# KiCad board led-module.kicad_pcb
title: LED Module; date: <<release-date>>; rev: <<tag>>; note: <<hash>>
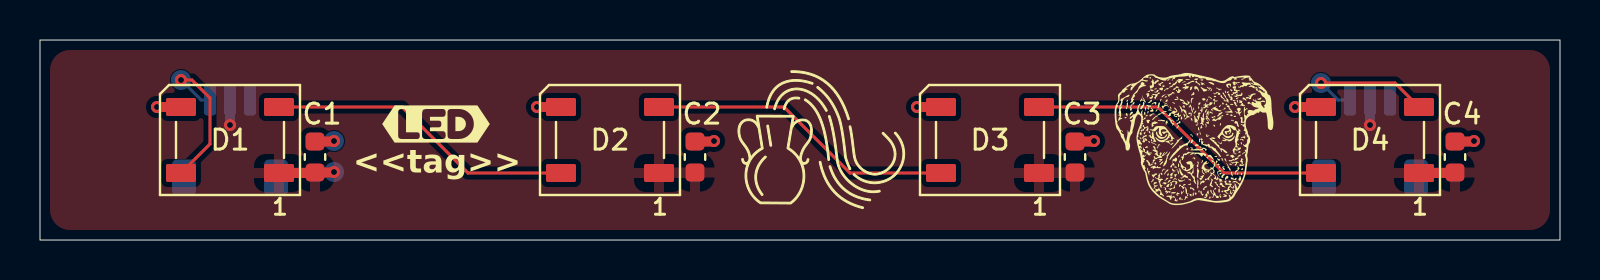
[diagram p0: board, top side]
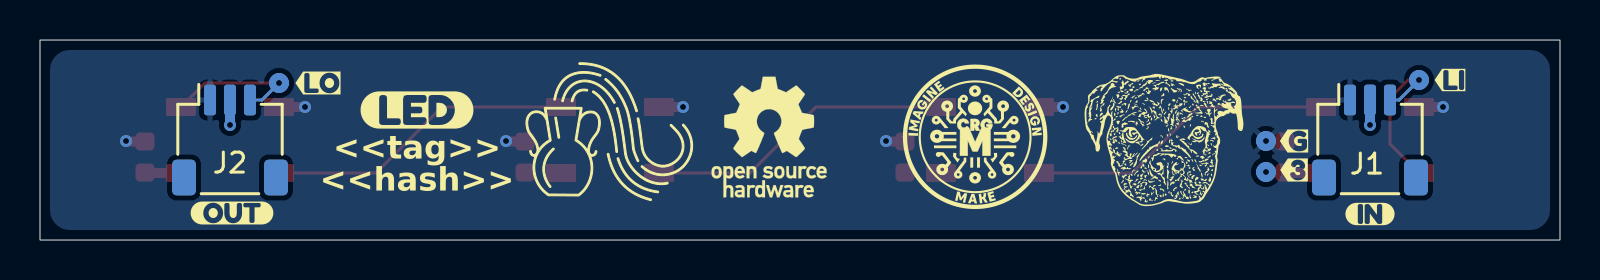
[diagram p1: board, bottom side, seen from below]

Outline 76 x 10 mm; copper layers: Top, Bottom. Coordinates in mm from the lower left corner of the outline.
Outline path: rectangle 0,10 76,0
Stack: Top 0.0696mm / dielectric 1.545mm FR4 er 4.5 / Bottom 0.0696mm

## Placement (name value [footprint] x y rotation side)
C1  0.1uF  [C_0603_1608Metric]  13.75 4.15 90 top
C2  0.1uF  [C_0603_1608Metric]  32.75 4.15 90 top
C3  0.1uF  [C_0603_1608Metric]  51.75 4.15 90 top
C4  0.1uF  [C_0603_1608Metric]  70.75 4.15 90 top
D1  WS2812B-5050  [LED_WS2812B_PLCC4_5.0x5.0mm_P3.2mm]  9.5 5 180 top
D2  WS2812B-5050  [LED_WS2812B_PLCC4_5.0x5.0mm_P3.2mm]  28.5 5 180 top
D3  WS2812B-5050  [LED_WS2812B_PLCC4_5.0x5.0mm_P3.2mm]  47.5 5 180 top
D4  WS2812B-5050  [LED_WS2812B_PLCC4_5.0x5.0mm_P3.2mm]  66.5 5 180 top
J1  BM03B-SRSS-TB  [JST_SH_SM03B-SRSS-TB_1x03-1MP_P1.00mm_Horizontal]  9.5 5 180 bottom
J2  BM03B-SRSS-TB  [JST_SH_SM03B-SRSS-TB_1x03-1MP_P1.00mm_Horizontal]  66.5 5 180 bottom
kibuzzard-69A0DE8F  G***  [kibuzzard-69A0DE8F]  5.5 8 180 bottom
kibuzzard-69A0DE9C  G***  [kibuzzard-69A0DE9C]  13.3 4.95 180 bottom
kibuzzard-69A0DE72  G***  [kibuzzard-69A0DE72]  62.1 7.85 180 bottom
kibuzzard-69A0DEA3  G***  [kibuzzard-69A0DEA3]  13.3 3.5 180 bottom
kibuzzard-69A0DF58  G***  [kibuzzard-69A0DF58]  66.4 1.35 180 bottom
kibuzzard-69A0DF69  G***  [kibuzzard-69A0DF69]  9.5 1.3 180 bottom
kibuzzard-69A0E019  G***  [kibuzzard-69A0E019]  19.8 5.8 0 top
kibuzzard-699F9001  G***  [kibuzzard-699F9001]  57.15 6.5 180 bottom
LOGO1  ~  [Aquarius Logo 8mm]  47.9 4.75 180 bottom
LOGO2  ~  [CRGM Logo 7mm]  29.25 5.2 180 bottom
LOGO3  ~  [Roxy 8mm]  57.67 5.12 0 top
LOGO4  ~  [Aquarius Logo 8mm]  38.7 4.35 0 top
LOGO5  ~  [OSHW-Logo_5.7x6mm_SilkScreen]  39.55 5.15 180 bottom
LOGO6  ~  [Roxy 8mm]  19.83 5.07 180 bottom
TP1  ~  [TestPoint_Pad_D1.0mm]  7.05 8 180 bottom
TP2  ~  [TestPoint_Pad_D1.0mm]  64.05 7.85 180 bottom
TP3  ~  [TestPoint_Pad_D1.0mm]  14.7 3.4 180 bottom
TP4  ~  [TestPoint_Pad_D1.0mm]  14.7 4.95 180 bottom

## Library data of the parts
C1-C4 = -: Description: Unpolarized capacitor; MN: Samsung; MPN: CL10B104KO8NNNC; LCSC: C66501; Digikey: 1276-1005-2-ND; Mouser: 187-CL10B104KO8NNNC; Tolerance: 10%; Vr: 16V; ki_fp_filters: C_*
D1-D4 = -: Datasheet: https://cdn-shop.adafruit.com/datasheets/WS2812B.pdf; Description: RGB LED with integrated controller; LCSC: C2843785; ki_fp_filters: LED*WS2812*PLCC*5.0x5.0mm*P3.2mm*
J1 J2 = -: Datasheet: https://www.jst-mfg.com/product/pdf/eng/eSH.pdf; Description: JST SH 1.0mm 3 Position; LCSC: C2763613; MN: JST; MPN: SM03B-SRSS-TB; Digikey: 455-SM03B-SRSS-TBTR-ND; Mouser: 306-SM03BSRSSTBTLFSN
LOGO5 = -: Description: Open Hardware logo, small
TP1-TP4 = -: Description: test point; ki_fp_filters: Pin* Test*

## Footprints (pads in the part's own frame, mm; a bottom-side part is the same pattern mirrored in y, then rotated)
C_0603_1608Metric
  rrect 0.9x0.95 smd: 1(-0.775,0) 2(0.775,0)
JST_SH_SM03B-SRSS-TB_1x03-1MP_P1.00mm_Horizontal
  rrect 0.6x1.55 smd: 1(-1,2) 2(0,2) 3(1,2)
  rrect 1.2x1.8 smd: MP(-2.3,-1.875) MP(2.3,-1.875)
LED_WS2812B_PLCC4_5.0x5.0mm_P3.2mm
  rrect 1.5x0.9 smd: 1(-2.45,1.65) 2(-2.45,-1.65) 3(2.45,-1.65) 4(2.45,1.65)
TestPoint_Pad_D1.0mm
  round 1 smd: 1(0,0)

## Nets
+3.3V: C1.1 C2.1 C3.1 C4.1 D1.1 D2.1 D3.1 D4.1 J1.2 J2.2 TP3.1
GND: C1.2 C2.2 C3.2 C4.2 D1.3 D2.3 D3.3 D4.3 J1.1 J2.1 TP4.1
Net-(D1-DIN): D1.4 J1.3 TP1.1
Net-(D1-DOUT): D1.2 D2.4
Net-(D2-DOUT): D2.2 D3.4
Net-(D3-DOUT): D3.2 D4.4
Net-(D4-DOUT): D4.2 J2.3 TP2.1

Pads without a net: J1 MP; J2 MP

## Via types
v1: diameter 0.6, hole 0.3, Top to Bottom, 13 vias

## Routing (per net, layer and track width the routed paths; a pad name or vN(x,y) marks a point on that pad's centre or on a via; arc(x,y) is an arc through that point)
+3.3V: length 7
  Top w0.5: D1.1 13.73,3.35 ; v1(14.7,3.4) 14.67,3.38 C1.1 ; D4.1 70.72,3.35
  Bottom w0.5: J2.2 v1(66.5,5.75) ; J1.2 v1(9.5,5.75)
GND: length 8.7
  Top w0.5: D1.3 v1(5.85,6.65) ; C4.2 71.67,4.93 v1(71.7,4.95) ; v1(52.7,4.95) 52.67,4.93 C3.2 ; C2.2 33.67,4.93 v1(33.7,4.95) ; D4.3 v1(62.75,6.65) ; D3.3 v1(43.85,6.65) ; C1.2 14.67,4.93 v1(14.7,4.95) ; D2.3 v1(24.85,6.65)
Net-(D1-DIN): length 8
  Top w0.152: D1.4 8.5,4.8 8.5,7.1 7.6,8 v1(7.05,8)
  Bottom w0.152: v1(7.05,8) 8.05,7 J1.3
Net-(D1-DOUT): length 15.5
  Top w0.152: D2.4 21.4,3.35 18.1,6.65 D1.2
Net-(D2-DOUT): length 15.5
  Top w0.152: D3.4 40.5,3.35 37.2,6.65 D2.2
Net-(D3-DOUT): length 15.5
  Top w0.152: D3.2 55.9,6.65 59.2,3.35 D4.4
Net-(D4-DOUT): length 7.2
  Top w0.152: D4.2 67.75,7.85 v1(64.05,7.85)
  Bottom w0.152: v1(64.05,7.85) 64.9,7 J2.3

## Copper pours and planes (outline as drawn; the poured copper is in the pictures)
+3.3V on Top: 0.5,0.5 75.5,0.5 75.5,9.5 0.5,9.5
GND on Bottom: 0.5,0.5 75.5,0.5 75.5,9.5 0.5,9.5

## Text on the board
B.Silkscreen: <<tag>> | <<hash>>
User.Comments: F.Silkscreen | F.Paste | F.Mask | F.Cu | Dielectric | B.Cu | B.Mask | B.Paste | B.Silkscreen | Top Silk Screen | Top Solder Paste | Top Solder Mask | copper | core | Bottom Solder Mask | Bottom Solder Paste | Bottom Silk Screen | Not specified | FR4 | 0 mm | 0.01 mm | 0.0696 mm | 1.545 mm | White | #480048FF | 1 | 3.3 | 4.5 | 0 | 0.02 | Copper Layer Count: | Board overall dimensions: | Min track/spacing: | Copper Finish: | Castellated pads: | Edge card connectors: | 2 | 76.0000 mm x 10.0000 mm | 0.1270 mm / 0.1524 mm | HAL SnPb | No | Board Thickness: | Min hole diameter: | Impedance Control: | Plated Board Edge: | 1.7042 mm | 0.2500 mm | Layer Name | Type | Material | Thickness (mm) | Color | Epsilon R | Loss Tangent | BOARD CHARACTERISTICS
F.Silkscreen: 1 | <<tag>>
